# Altium PCB PCB2.PcbDoc
Units mil, origin at the board's own origin, x right, y up, seen from the top; angles counter-clockwise.
Board outline 3695 x 3855 mil, 2 copper layers (Top Layer, Bottom Layer); 14 components, 17 nets, 83 pads, 0 vias.
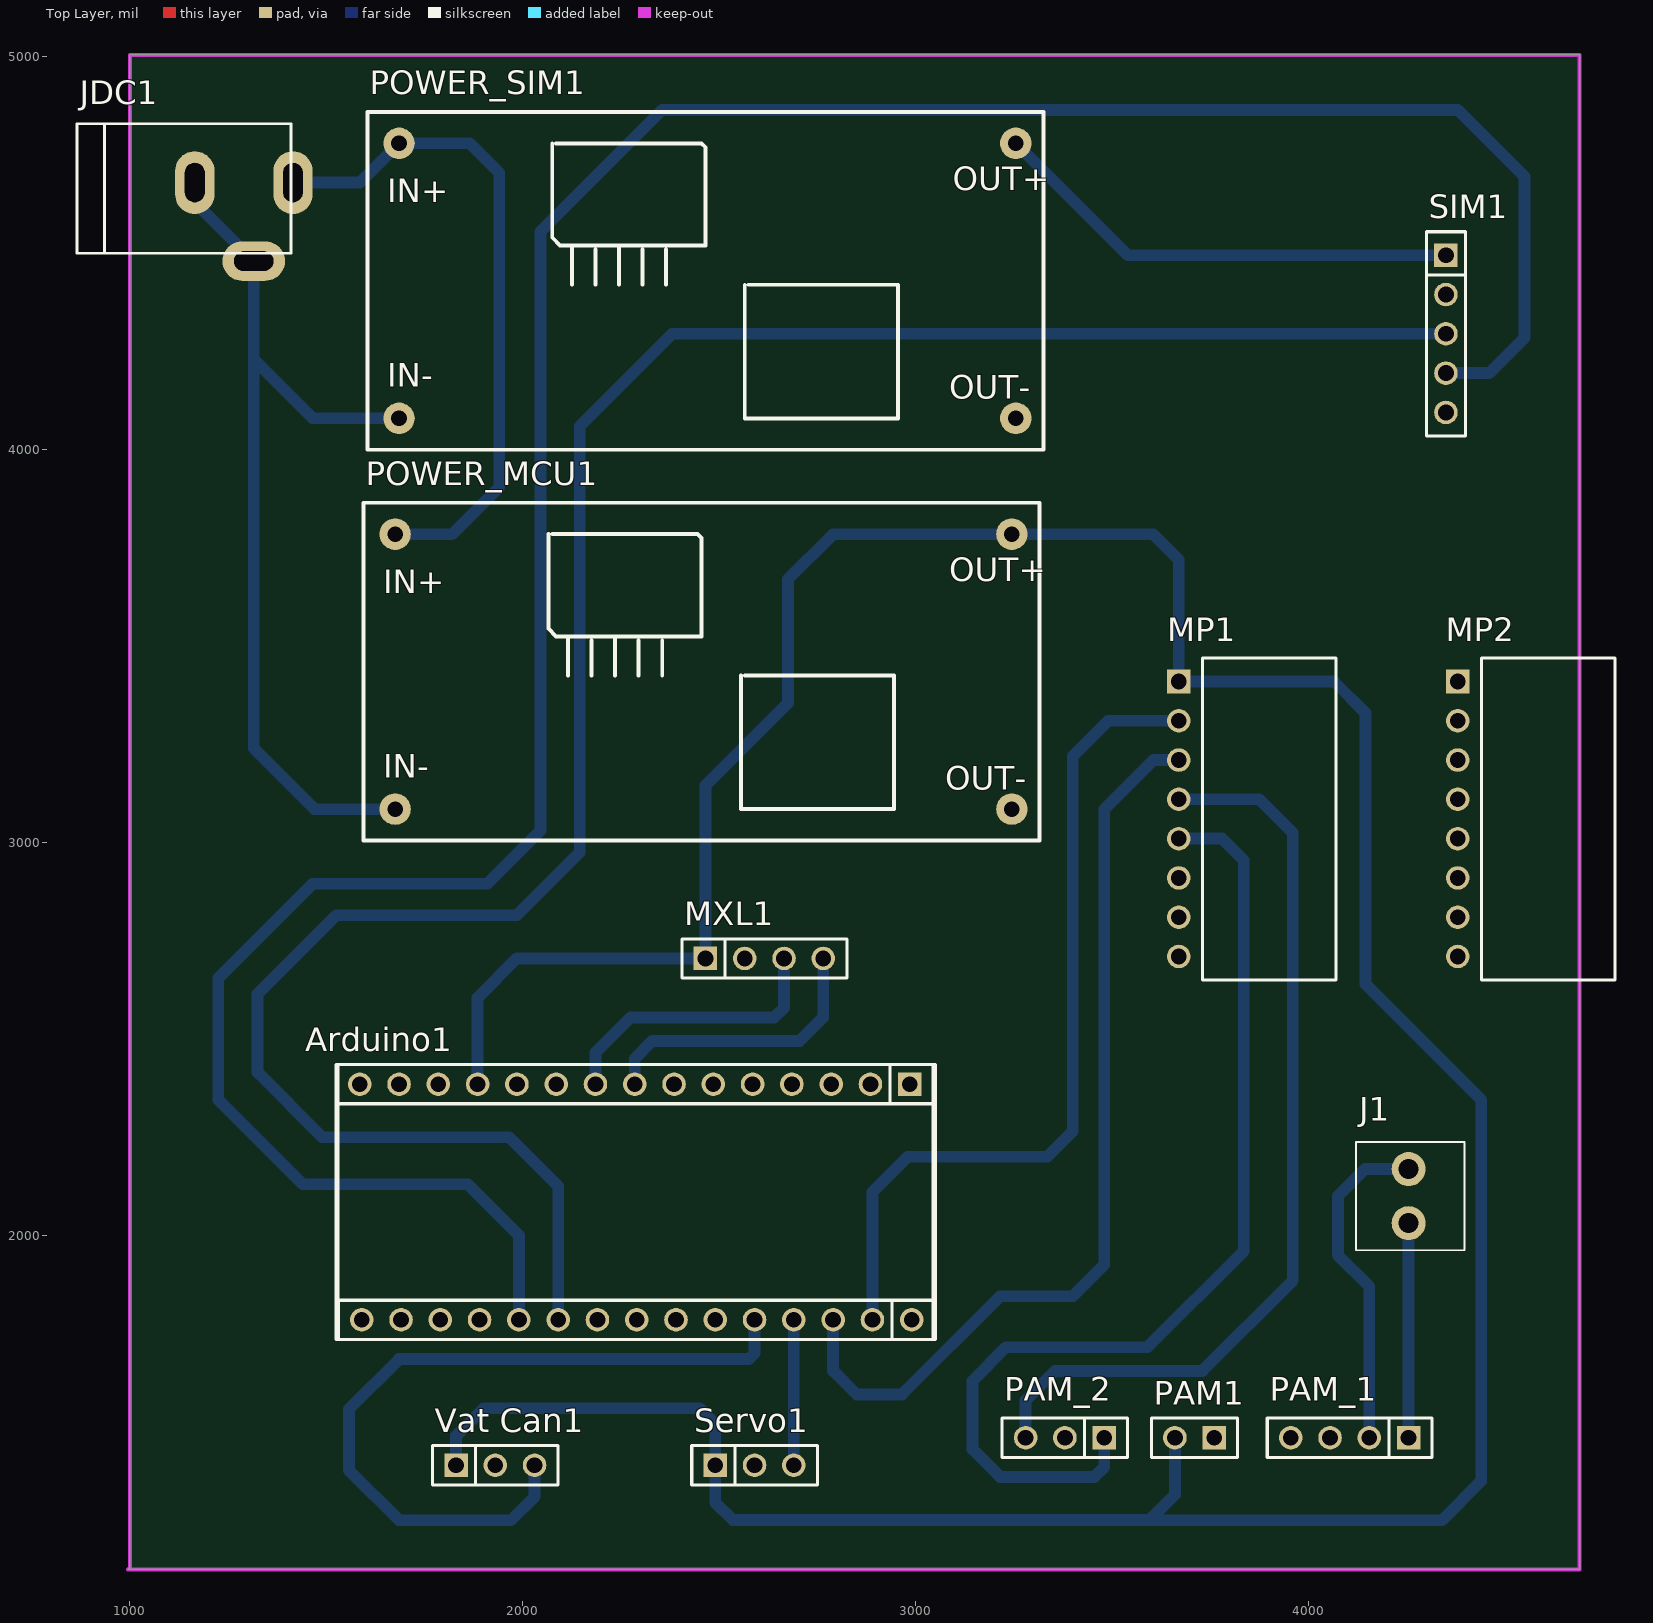
[diagram p0: Top Layer view]
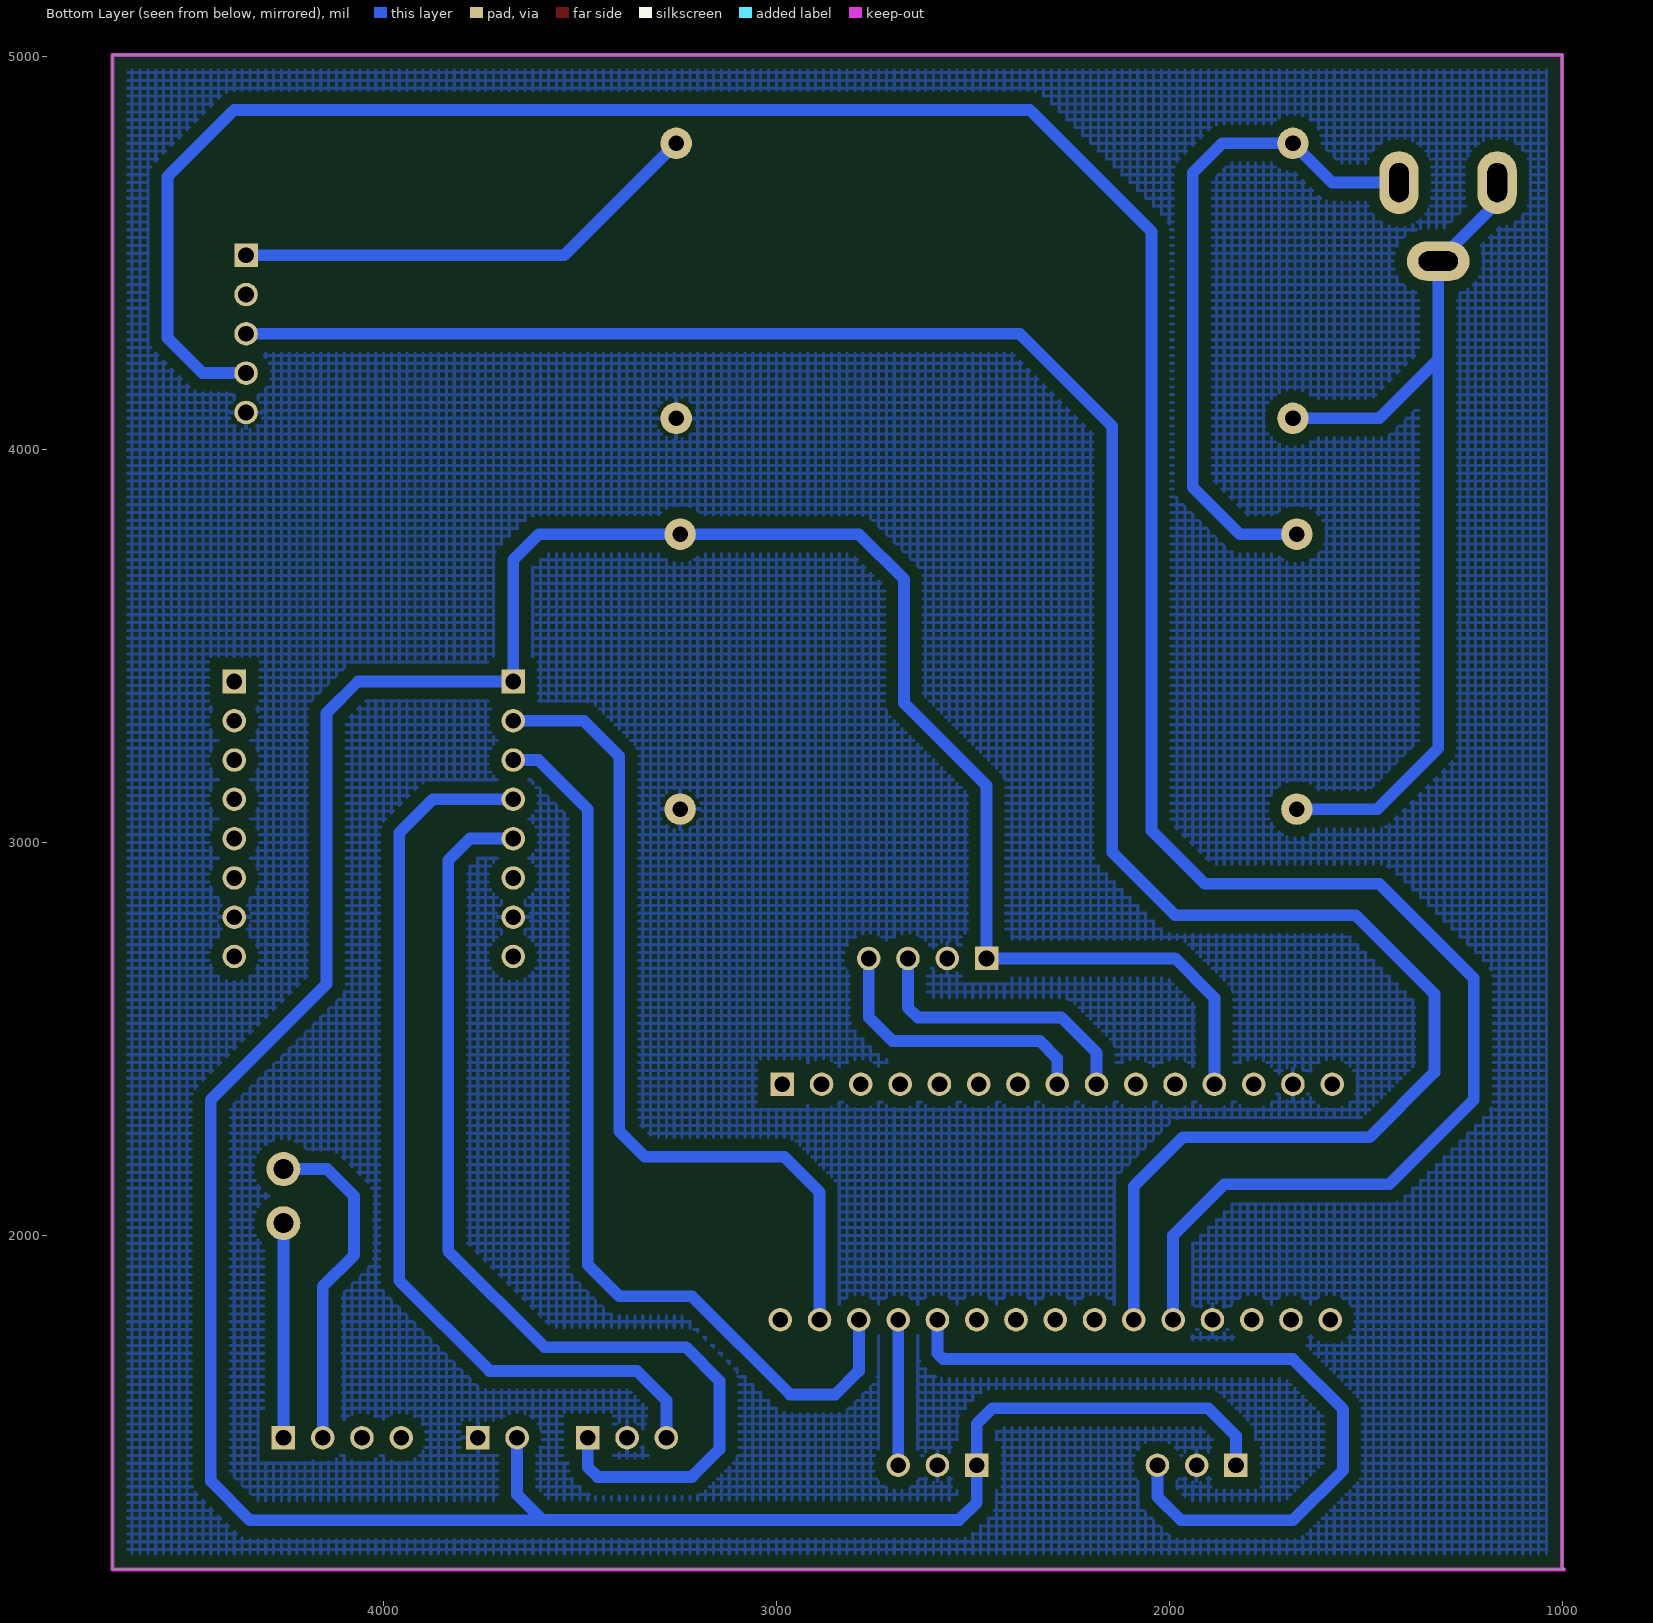
[diagram p1: Bottom Layer view, seen from below]

## Layer stack, top to bottom
Top Solder: solder mask 0.4, Solder Resist, Dk 3.5
Top Layer: signal copper 1.4
Dielectric 1: dielectric 12.6, FR-4, Dk 4.8
Bottom Layer: signal copper 1.4
Bottom Solder: solder mask 0.4, Solder Resist, Dk 3.5

## Board outline
995,1150 1000,1155 1000,5005 4690,5005 4690,1150

## Design rules (kind name [scope] priority, off if disabled: settings)
Clearance [All] p1: gap=30
PolygonConnect [All] p1: connectstyle=Relief reliefconductorwidth=10 reliefentries=4 polygonreliefangle="90 Angle" airgapwidth=10
RoutingVias [All] p1: holewidth=30 width=50 viastyle="Through Hole" minholewidth=30 minwidth=50 maxholewidth=30 maxwidth=50
SolderMaskExpansion [All] p1: expansion=4
Width [All] p1: maxlimit=30 minlimit=10 preferedwidth=20
30 further rules are at their usual default settings.

## Components (designator, comment, footprint, x,y, rotation, side; value= is the part's Value field where it differs from the comment)
Arduino1 "Arduino Nano" "Arduino Nano" 2280,2115 r90 top
J1 "KF2" KF2-3.5 4255,2100 r90 top
JDC1 "Jac DC" DC0 1290,4580 r0 top
MP1 "JP8" JP8-C1C 3670,3060 r270 top
MP2 "JP8" JP8-C1C 4380,3060 r270 top
MXL1 "JP4" JP4-C1T 2465,2705 r0 top
PAM1 "JP2" JP2-C1T 3760,1485 r180 top
PAM_1 "JP4" JP4-C1T 4255,1485 r180 top
PAM_2 "JP3" JP3-C1T 3480,1485 r180 top
POWER_MCU1 "BUCK_LM2596" BUCK_LM2596 2445,3465 r0 top
POWER_SIM1 "BUCK_LM2596" BUCK_LM2596 2455,4460 r0 top
Servo1 "JP3" JP3-C1T 2490,1415 r0 top
SIM1 "JP5" JP5-C1T 4350,4495 r270 top
"Vat Can1" "JP3" JP3-C1T 1830,1415 r0 top

## Footprints (in the part's own frame and the unit in brackets; to place one, negate y for a bottom-side part, rotate by r counter-clockwise, add the part's x,y. Pads: shape width x height; smd on the part's side, far side on the other; paste and mask are expansions set on the pad)
"Arduino Nano" [mm]
  round 1.52 hole 1.02: 3V3(6.858,-15.367) 5V(6.858,10.033) A0(6.858,-10.287) A1(6.858,-7.747) A2(6.858,-5.207) A3(6.858,-2.667) A4(6.858,-0.127) A5(6.858,2.413) A6(6.858,4.953) A7(6.858,7.493) D2(-8.382,7.366) D3(-8.382,4.826) D4(-8.382,2.286) D5(-8.382,-0.254) D6(-8.382,-2.794) D7(-8.382,-5.334) D8(-8.382,-7.874) D9(-8.382,-10.414) D10(-8.382,-12.954) D11(-8.382,-15.494) D12(-8.382,-18.034) GND(-8.382,9.906) GND(6.858,15.113) REF(6.858,-12.827) RST(-8.382,12.446) RST(6.858,12.573) RX0(-8.382,14.986) TX1(-8.382,17.526) VIN(6.858,17.653)
  rect 1.52x1.52 hole 1.02: D13(6.858,-17.907)
  silkscreen extent -9.65,-19.55 8.13,19.18, body extent -9.65,-23.48 8.14,21.44, height 21.18
BUCK_LM2596 [mil]
  round 80 hole 40: 1(-770,320) 2(-770,-380) 3(800,-380) 4(800,320)
  silkscreen extent -850,-460 870,400
DC0 [mil] "Jac DC input"
  oval 100x160 hole 50 slot 100 at 90 deg: 1(125,100) 2(-125,100)
  oval 160x100 hole 50 slot 100 at 0 deg: 3(25,-100)
  silkscreen extent -425,-80 120,250, body extent -410,-105 134,269, height 434
JP2-C1T [mm] "2 row, straight, gold plating"
  rect 1.52x1.52 hole 1.02: 1(0,0)
  round 1.52 hole 1.02: 2(2.54,0)
  silkscreen extent -1.52,-1.27 4.06,1.27, body extent -1.52,-1.25 4.06,1.25, height 8.51
JP3-C1T [mm] "3 row, straight, gold plating"
  rect 1.52x1.52 hole 1.02: 1(0,0)
  round 1.52 hole 1.02: 2(2.54,0) 3(5.08,0)
  silkscreen extent -1.52,-1.27 6.6,1.27, body extent -1.52,-1.25 6.6,1.25, height 8.51
JP4-C1T [mm] "4 row, straight, gold plating"
  rect 1.52x1.52 hole 1.02: 1(0,0)
  round 1.52 hole 1.02: 2(2.54,0) 3(5.08,0) 4(7.62,0)
  silkscreen extent -1.52,-1.27 9.14,1.27, body extent -1.52,-1.25 9.14,1.25, height 8.51
JP5-C1T [mm] "5 row, straight, gold plating"
  rect 1.52x1.52 hole 1.02: 1(0,0)
  round 1.52 hole 1.02: 2(2.54,0) 3(5.08,0) 4(7.62,0) 5(10.16,0)
  silkscreen extent -1.52,-1.27 11.68,1.27, body extent -1.52,-1.25 11.68,1.25, height 8.51
JP8-C1C [mm] "08p 1 row Right angle"
  rect 1.52x1.52 hole 1.02: 1(-8.89,0)
  round 1.52 hole 1.02: 2(-6.35,0) 3(-3.81,0) 4(-1.27,0) 5(1.27,0) 6(3.81,0) 7(6.35,0) 8(8.89,0)
  silkscreen extent -10.41,1.52 10.41,10.17, body extent -10.41,-0.25 10.41,10.05, height 2.51
KF2-3.5 [mm] "3,50mm - modular - blue - Horizontal wire entry - Pressure clamp - 8,4mm height - 02p"
  round 2.2 hole 1.3: 1(-1.75,0) 2(1.75,0)
  silkscreen extent -3.5,-3.6 3.5,3.4, body extent -3.95,-3.6 4.05,3.4, height 8.41

## Part data
Arduino1: "Arduino NANO"
JDC1: library part DCIN, "Jac DC input"
MP1 MP2 MXL1 PAM1 PAM_1 PAM_2 Servo1 SIM1 "Vat Can1": "WR-PHD 2.54 mm Angled Socket Header"

## Nets (pads, with @x,y where several pads share a name; then routed paths per layer and width w, separated by ;. In a path a pad name is that pad's centre, name@x,y a point inside that pad or via, vN(x,y) a via of type N, cw(c..) or ccw(c..) an arc to the next point about the centre after c; other vN are vias at no path point)
DAC_R: MP1.4 PAM_2.3 | length 2366.5
  Bottom Layer w30: PAM_2.3 3280,1580 3355,1655 3730,1655 3960,1885 3960,3025 3875,3110 MP1.4
DAC_T: MP1.5 PAM_2.1 | length 2633.8
  Bottom Layer w30: PAM_2.1 3480,1410 3455,1385 3215,1385 3145,1455 3145,1630 3230,1715 3590,1715 3835,1960 3835,2955 3780,3010 MP1.5
GND: "Vat Can1.2" Arduino1.GND MP1.7 MP2.7 MXL1.2 PAM1.1 PAM_2.2 POWER_MCU1.3 POWER_SIM1.3 Servo1.2 SIM1.5
NetJ1_1: J1.1 PAM_1.1 | length 546.1
  Bottom Layer w30: PAM_1.1 J1.1
NetJ1_2: J1.2 PAM_1.2 | length 856.7
  Bottom Layer w30: PAM_1.2 4155,1870 4075,1950 4075,2100 4143.9,2168.9 J1.2
NetJDC1_1: JDC1.1 POWER_MCU1.1 POWER_SIM1.1 | length 1712.2
  Bottom Layer w30: JDC1.1 1585,4680 POWER_SIM1.1 1865,4780 1940,4705 1940,3905 1820,3785 POWER_MCU1.1
NetJDC1_2: JDC1.2 JDC1.3 POWER_MCU1.2 POWER_SIM1.2 | length 2358.5
  Bottom Layer w30: JDC1.2 1165,4630 JDC1.3 1315,4230 ; POWER_MCU1.2 1470,3085 1315,3240 1315,4230 ; POWER_SIM1.2 1465,4080 1315,4230
RX: Arduino1.D10 MP1.3 | length 2383.3
  Bottom Layer w30: Arduino1.D10 2790,1655 2850,1595 2965,1595 3215,1845 3400,1845 3480,1925 3480,3085 3605,3210 MP1.3
RX_SIM: Arduino1.D3 SIM1.3 | length 5781.6
  Bottom Layer w30: Arduino1.D3 2090,2125 1965,2250 1490,2250 1325,2415 1325,2615 1525,2815 1985,2815 2145,2975 2145,4060 2380,4295 SIM1.3
SCL: Arduino1.A5 MXL1.3 | length 732.6
  Bottom Layer w30: Arduino1.A5 2185,2465 2275,2555 2640,2555 2665,2580 MXL1.3
SDA: Arduino1.A4 MXL1.4 | length 738.5
  Bottom Layer w30: Arduino1.A4 2285,2450 2330,2495 2705,2495 2765,2555 MXL1.4
SEN_VC: "Vat Can1.3" Arduino1.D8 | length 1961.7
  Bottom Layer w30: 2030,1415 2030,1335 1970,1275 1685,1275 1557.5,1402.5 1557.5,1557.5 1685,1685 2575,1685 2590,1700 Arduino1.D8
SERVO: Arduino1.D9 Servo1.3 | length 370
  Bottom Layer w30: Servo1.3 Arduino1.D9
TX: Arduino1.D11 MP1.2 | length 2161.5
  Bottom Layer w30: Arduino1.D11 2890,2110 2980,2200 3335,2200 3400,2265 3400,3220 3490,3310 MP1.2
TX_SIM: Arduino1.D2 SIM1.4 | length 7284.3
  Bottom Layer w30: Arduino1.D2 1990,2000 1860,2130 1440,2130 1225,2345 1225,2655 1465,2895 1910,2895 2045,3030 2045,4555 2355,4865 4380,4865 4550,4695 4550,4285 4460,4195 SIM1.4
VCC: "Vat Can1.1" Arduino1.5V MP1.1 MXL1.1 PAM1.2 POWER_MCU1.4 Servo1.1 | length 9085.2
  Bottom Layer w30: 1830,1415 1830,1490 1900,1560 2450,1560 2490,1520 Servo1.1 2490,1320 2534.23,1275.77 3595.77,1275.77 3660,1340 PAM1.2 ; Arduino1.5V 1885,2605 1985,2705 MXL1.1 2465,3145 2675,3355 2675,3670 2790,3785 POWER_MCU1.4 3605,3785 3670,3720 MP1.1 4065,3410 4145,3330 4145,2640 4440,2345 4440,1375 4340,1275 3595,1275
VCC_SIM: POWER_SIM1.4 SIM1.1 | length 1213.1
  Bottom Layer w30: POWER_SIM1.4 3540,4495 SIM1.1
pads on no net: Arduino1.3V3 Arduino1.A0 Arduino1.A1 Arduino1.A2 Arduino1.A3 Arduino1.A6 Arduino1.A7 Arduino1.D4 Arduino1.D5 Arduino1.D6 Arduino1.D7 Arduino1.D12 Arduino1.D13 Arduino1.REF Arduino1.RST Arduino1.RX0 Arduino1.TX1 Arduino1.VIN MP1.6 MP1.8 MP2.1 MP2.2 MP2.3 MP2.4 MP2.5 MP2.6 MP2.8 PAM_1.3 PAM_1.4 SIM1.2

## Polygon pours and split planes (outlines as drawn)
GND on Bottom Layer "Bottom Layer-No Net" (hatched 90Degree grid 20 track 8, remove dead copper, pour order 6): 1005,5000 4665,5000 4675,5010 4665,5000 4665,1150 1020,1150 1000,1170

## Keep-outs
Keep-Out Layer:
  the board outline again, w10

## Text inside footprints (layer, text, board x,y; h text height)
POWER_MCU1: Top Overlay "IN+" at 1645,3635 h60; Top Overlay "IN-" at 1645,3165 h60; Top Overlay "OUT+" at 3085,3665 h60; Top Overlay "OUT-" at 3075,3135 h60
POWER_SIM1: Top Overlay "IN+" at 1655,4630 h60; Top Overlay "IN-" at 1655,4160 h60; Top Overlay "OUT+" at 3095,4660 h60; Top Overlay "OUT-" at 3085,4130 h60